# Altium PCB Proyecto0.PcbDoc (part 4 of 5)
Units mm, origin at the board's own origin, x right, y up, seen from the top; angles counter-clockwise.
Board outline 65 x 45 mm, 10 copper layers (TOP, GND[1], VDD[1], Signal[1], GND[2], VDD[2], Signal[2], GND[3], VDD[3], BOT), stack 2.029 mm thick; 188 components, 257 nets, 1107 pads, 1099 vias.
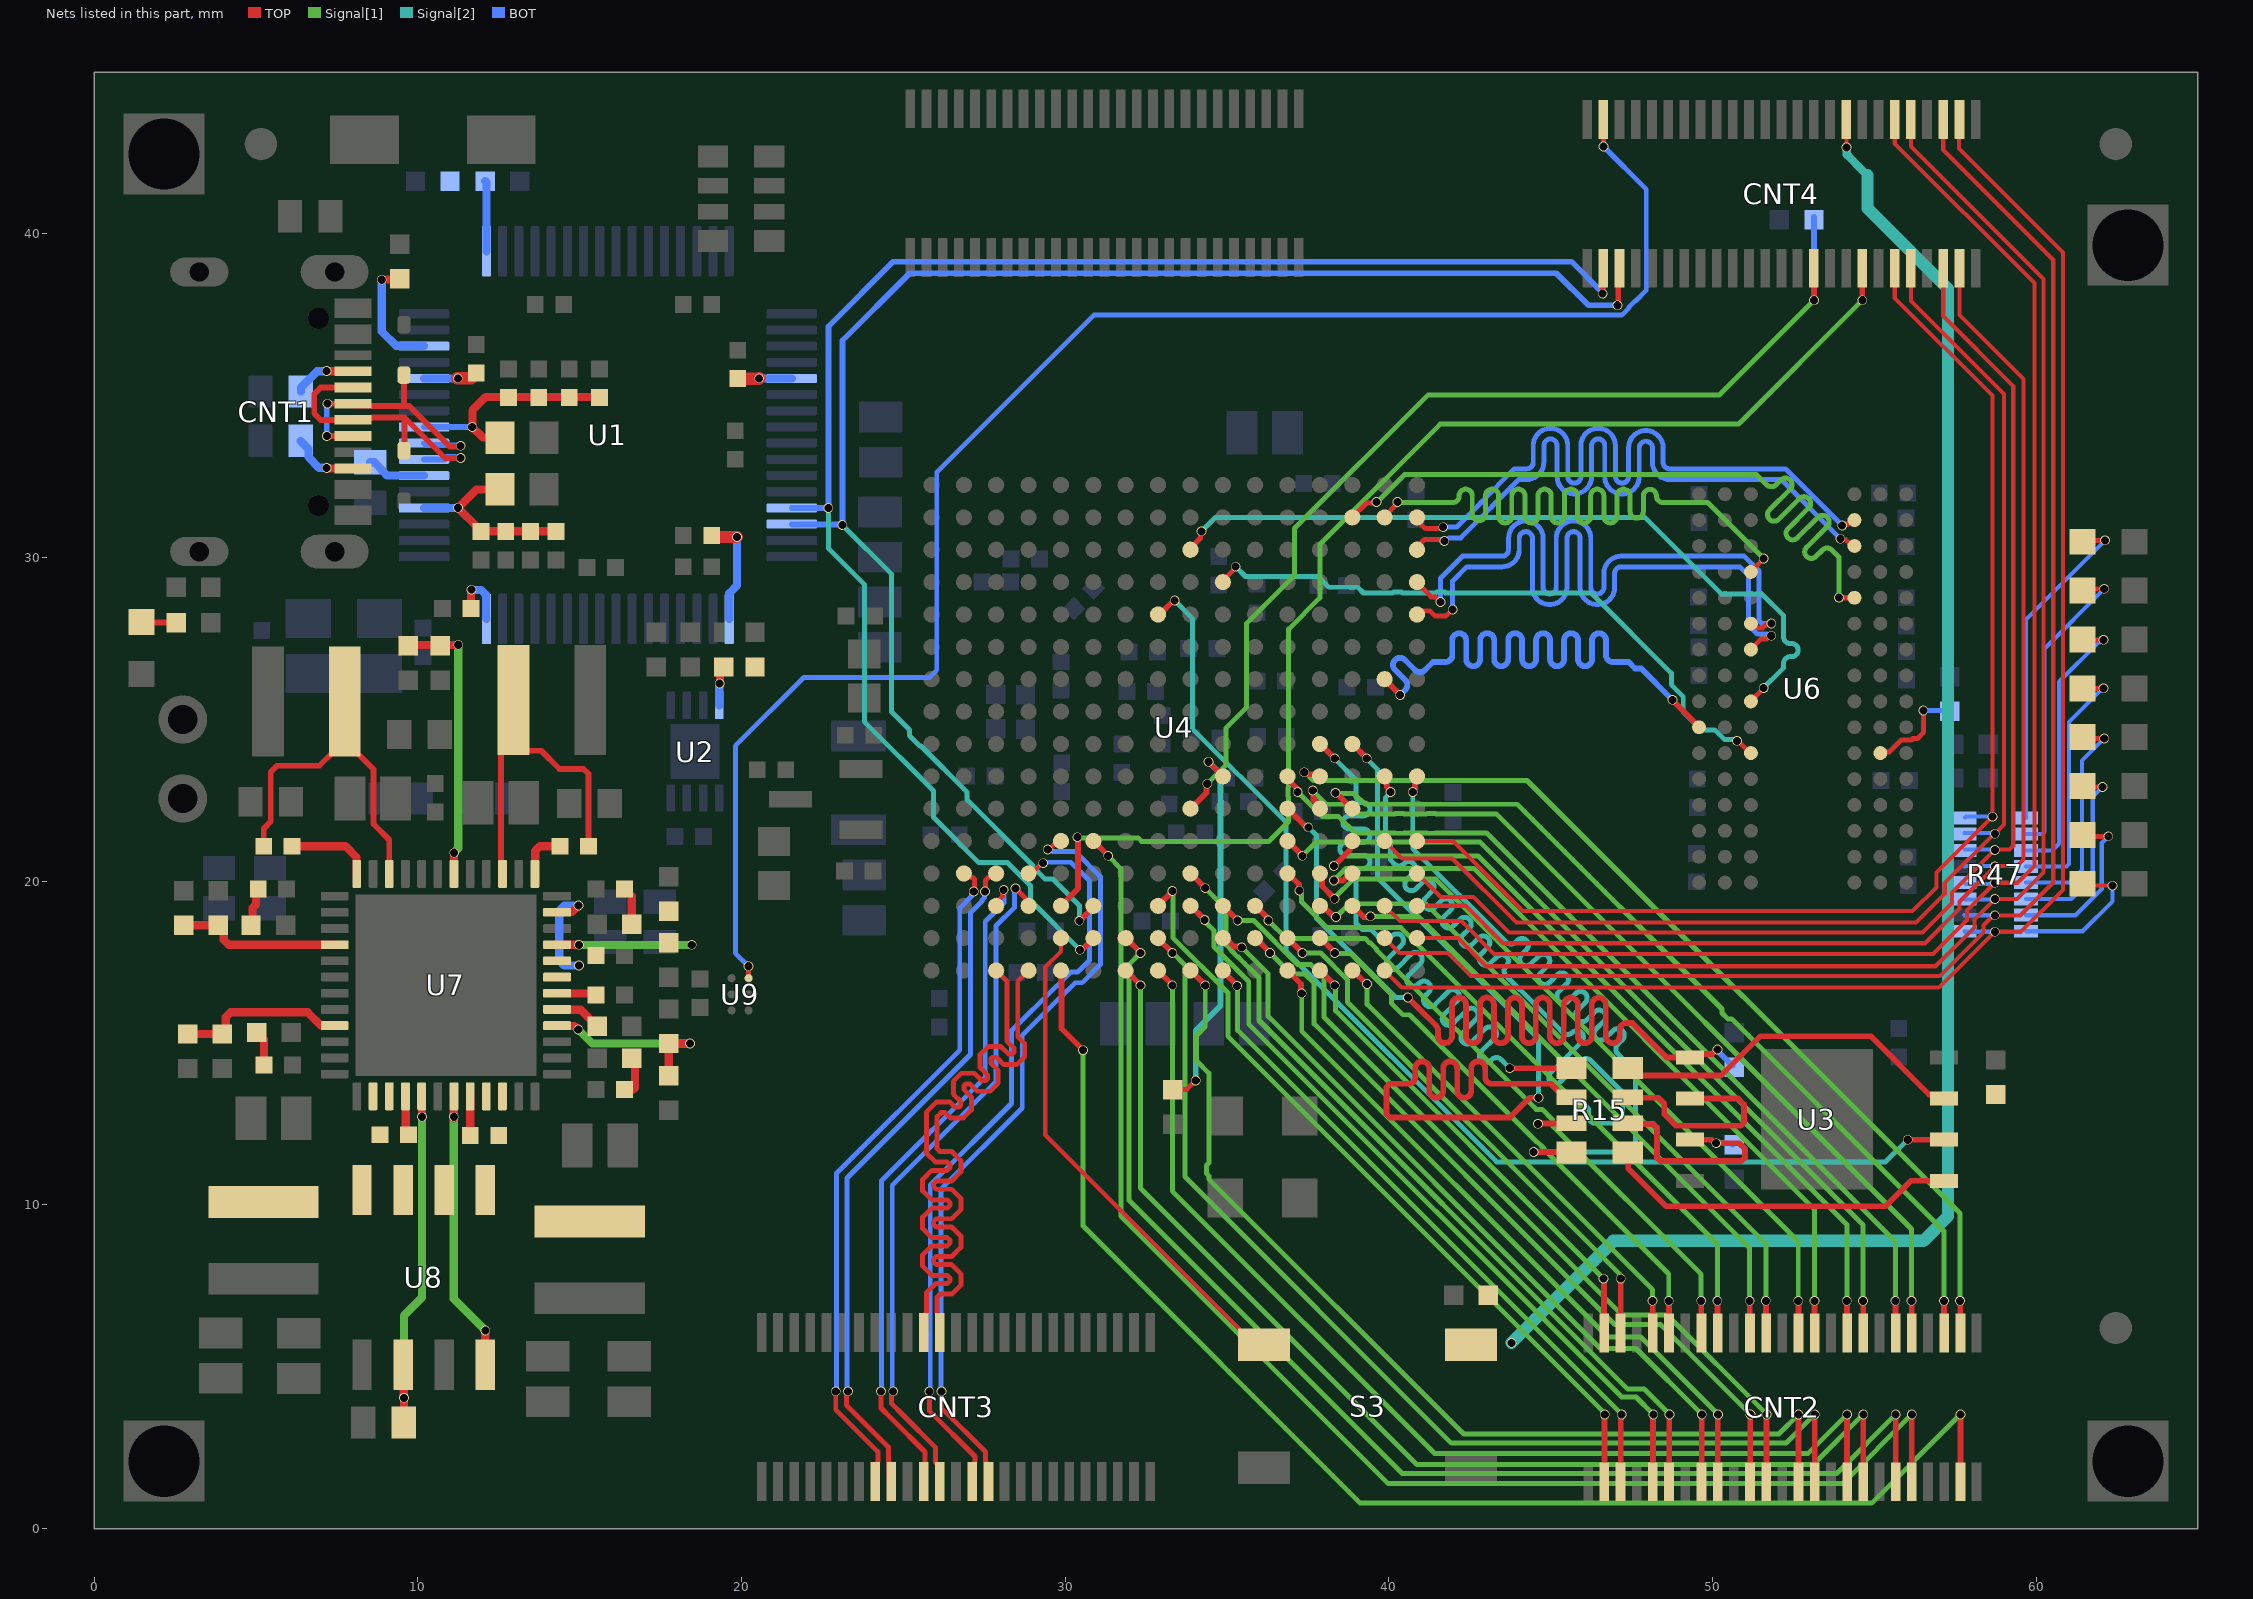
[diagram p12: the nets of this part, all layers, seen from the top]

## Via types
v1: diameter 0.3, hole 0.25, TOP to BOT, tented both sides, 1081 vias
v2: diameter 0.3, hole 0.25, TOP to BOT, 18 vias

## Nets (pads, with @x,y where several pads share a name; then routed paths per layer and width w, separated by ;. In a path a pad name is that pad's centre, name@x,y a point inside that pad or via, vN(x,y) a via of type N, cw(c..) or ccw(c..) an arc to the next point about the centre after c; other vN are vias at no path point) (continued)
L6_N: CNT3.43 U4.N2 | length 21.4
  TOP w0.152: v1(22.916,4.242) 22.916,3.676 24.216,2.376 24.216,2.072 24.205,2.061 24.205,1.533 CNT3.43@24.131,1.459 ; U4.N2@26.873,20.241 26.967,20.241 27.093,20.115 27.157,20.115 27.208,20.064 27.208,19.899 27.199,19.89 27.199,19.706 v1(27.178,19.685)
  BOT w0.152: v1(22.916,4.242) 22.934,4.26 22.934,10.97 26.746,14.783 26.746,19.167 27.106,19.526 27.106,19.573 27.178,19.645 v1(27.178,19.685)
L6_P: CNT3.42 U4.N3 | length 21.4
  TOP w0.152: v1(23.292,4.242) 23.264,4.214 23.264,4.109 23.246,4.091 23.246,3.813 24.546,2.513 24.546,2.072 24.558,2.061 24.558,1.533 CNT3.42@24.631,1.459 ; v1(27.529,19.685) 27.538,19.694 27.538,20.025 27.627,20.115 27.652,20.115 27.779,20.241 U4.N3@27.873,20.241
  BOT w0.152: v1(23.292,4.242) 23.264,4.27 23.264,10.834 27.076,14.646 27.076,19.03 27.436,19.39 27.436,19.418 27.508,19.49 27.508,19.664 v1(27.529,19.685)
L7_N: CNT3.11 U4.T3 | length 19.9
  TOP w0.152: CNT3.11@25.631,6.059 25.705,6.133 25.705,6.661 25.716,6.672 25.716,6.833 25.716,7.289 25.999,7.572 26.36,7.572 26.448,7.661 26.448,7.736 26.36,7.825 25.883,7.825 25.601,8.106 25.601,8.456 25.883,8.737 26.36,8.737 26.448,8.826 26.448,8.901 26.36,8.99 25.883,8.99 25.601,9.272 25.601,9.621 25.883,9.903 26.36,9.903 26.448,9.991 26.448,10.067 26.36,10.155 25.883,10.155 25.601,10.437 25.601,10.786 25.883,11.068 26.36,11.068 26.448,11.156 26.448,11.232 26.36,11.32 25.999,11.32 25.716,11.603 25.716,11.913 25.716,12.328 25.716,12.864 26.034,13.182 26.434,13.182 26.598,13.018 26.723,13.018 26.776,13.072 26.776,13.197 26.551,13.423 26.551,13.821 26.797,14.068 27.196,14.068 27.422,13.842 27.547,13.842 27.6,13.896 27.6,14.021 27.374,14.247 27.374,14.645 27.621,14.892 28.02,14.892 28.246,14.666 28.371,14.666 28.424,14.72 28.424,14.845 28.208,15.061 28.208,15.586 28.208,16.906 U4.T3@27.873,17.241
L7_P: CNT3.12 U4.T4 | length 19.9
  TOP w0.152: CNT3.12@26.131,6.059 26.058,6.133 26.058,6.661 26.046,6.672 26.046,6.833 26.046,7.153 26.136,7.242 26.497,7.242 26.779,7.524 26.779,7.873 26.497,8.155 26.02,8.155 25.931,8.243 25.931,8.319 26.02,8.407 26.497,8.407 26.779,8.689 26.779,9.038 26.497,9.32 26.02,9.32 25.931,9.408 25.931,9.484 26.02,9.572 26.497,9.572 26.779,9.854 26.779,10.203 26.497,10.485 26.02,10.485 25.931,10.574 25.931,10.649 26.02,10.738 26.497,10.738 26.779,11.019 26.779,11.369 26.497,11.65 26.136,11.65 26.046,11.74 26.046,11.913 26.046,11.998 26.046,12.727 26.171,12.852 26.297,12.852 26.461,12.688 26.86,12.688 27.107,12.935 27.107,13.334 26.881,13.559 26.881,13.684 26.934,13.738 27.059,13.738 27.285,13.512 27.683,13.512 27.93,13.759 27.93,14.158 27.705,14.383 27.705,14.508 27.758,14.562 27.883,14.562 28.109,14.336 28.507,14.336 28.754,14.583 28.754,14.981 28.538,15.198 28.538,15.569 28.538,16.906 U4.T4@28.873,17.241
L8_N: CNT3.40 U4.P3 | length 21
  TOP w0.152: v1@24.312,4.216 24.312,3.724 24.663,3.374 25.671,2.366 25.671,1.499 CNT3.40@25.631,1.459 ; U4.P3@27.873,19.241 27.873,19.335 28.062,19.524 28.062,19.708 28.088,19.734 v1(28.103,19.734)
  BOT w0.152: v1@24.33,4.235 24.33,10.741 27.534,13.945 27.534,18.755 28.109,19.331 28.109,19.727 v1(28.103,19.734)
  other v1: 24.312,4.242
L8_P: CNT3.39 U4.P4 | length 21.3
  TOP w0.152: v1@24.689,4.216 24.661,4.188 24.661,4.109 24.642,4.091 24.642,3.861 24.993,3.51 26.001,2.502 26.001,2.04 26.131,1.909 CNT3.39@26.131,1.459 ; v1(28.468,19.781) 28.473,19.781 28.473,19.776 28.806,19.443 28.806,19.308 U4.P4@28.873,19.241
  BOT w0.152: v1@24.689,4.216 24.661,4.245 24.661,4.398 24.661,10.605 27.864,13.808 27.864,18.618 28.44,19.194 28.44,19.753 v1(28.468,19.781)
  other v1: 24.689,4.242
L9_N: CNT3.37 U4.N4 | length 23.7
  TOP w0.152: v1@25.806,4.115 25.806,3.64 27.216,2.23 27.216,2.072 27.205,2.061 27.205,1.533 CNT3.37@27.131,1.459 ; U4.N4@28.873,20.241 28.965,20.241 29.282,20.558 v1(29.322,20.558)
  BOT w0.152: v1@25.806,4.115 25.806,4.269 25.779,4.297 25.821,4.297 25.834,4.31 25.834,7.422 25.834,10.62 28.346,13.132 28.346,15.377 29.711,16.741 29.723,16.741 30.175,17.194 30.389,17.194 30.759,17.564 30.759,20.005 30.178,20.587 29.35,20.587 v1(29.322,20.558)
  other v1: 25.806,4.242
L9_P: CNT3.36 U4.M5 | length 24
  TOP w0.152: v1@26.183,4.115 26.177,4.109 26.177,3.736 27.546,2.367 27.546,2.072 27.558,2.061 27.558,1.533 CNT3.36@27.631,1.459 ; v1(29.464,20.98) 29.504,20.98 29.698,21.175 29.806,21.175 U4.M5@29.873,21.241
  BOT w0.152: v1@26.183,4.115 26.164,4.133 26.164,4.242 26.164,7.286 26.164,10.483 28.677,12.995 28.677,15.24 29.848,16.411 29.86,16.411 30.312,16.864 30.525,16.864 31.09,17.428 31.09,20.142 30.315,20.917 29.627,20.917 29.592,20.952 29.492,20.952 v1(29.464,20.98)
  other v1: 26.183,4.242
L13: CNT2.17 U4.M14 | length 25
  TOP w0.178: v1(38.304,20.473) 38.521,20.691 38.811,20.98 38.811,21.179 U4.M14@38.873,21.241 ; v1(54.15,7.036) 54.155,7.031 54.155,6.053 CNT2.17@54.157,6.051
  Signal[1] w0.152: v1(38.304,20.473) 38.608,20.777 42.774,20.777 54.154,9.397 v1@54.154,7.04 ; v1@54.15,7.034 v1@54.154,7.038
LDM: U4.B14 U6.E7 | length 25
  TOP w0.152: U4.B14@38.873,31.241 39.316,31.684 39.596,31.684 v1(39.624,31.713)
  TOP w0.178: v1(53.909,28.761) 53.914,28.757 U6.E7@54.386,28.757
  Signal[1] w0.152: v1(39.624,31.713) 39.637,31.713 40.488,32.563 51.359,32.563 51.621,32.3 51.675,32.247 ccw(c51.819,32.39) 51.962,32.247 52.111,32.395 cw(c52.254,32.251) 52.398,32.395 cw(c52.254,32.251) 52.398,32.108 51.76,31.469 ccw(c51.903,31.325) 51.76,31.182 ccw(c51.903,31.325) 52.047,31.182 52.686,31.82 cw(c52.829,31.677) 52.973,31.82 cw(c52.829,31.677) 52.973,31.533 52.334,30.894 ccw(c52.478,30.751) 52.334,30.607 ccw(c52.478,30.751) 52.622,30.607 53.26,31.246 cw(c53.404,31.102) 53.548,31.245 cw(c53.404,31.102) 53.548,30.958 52.909,30.32 ccw(c53.053,30.176) 52.909,30.032 ccw(c53.053,30.176) 53.197,30.032 53.399,30.235 cw(c53.543,30.091) 53.687,30.235 53.909,30.012 53.909,29.81 v1(53.909,28.761)
LDQS_N: U4.E16 U6.G3 | length 22.2
  TOP w0.152: U4.E16@40.873,28.241 40.967,28.241 41.081,28.355 41.262,28.355 41.42,28.198 41.776,28.198 v1(41.973,28.395) ; U6.G3@51.186,27.157 51.186,27.164 51.512,27.49 51.678,27.49 51.698,27.511 51.702,27.511 51.776,27.584 v1(51.816,27.584)
  BOT w0.152: v1(41.973,28.395) 41.973,29.273 42.413,29.713 43.256,29.713 43.497,29.713 ccw(c43.497,30.247) 44.031,30.247 44.031,30.597 cw(c44.234,30.597) 44.437,30.597 44.437,29.078 ccw(c44.971,29.078) 45.504,29.078 45.504,30.597 cw(c45.707,30.597) 45.91,30.597 45.91,29.078 ccw(c46.444,29.078) 46.977,29.078 46.977,29.51 cw(c47.18,29.51) 47.18,29.713 48.46,29.713 50.846,29.713 51.107,29.452 51.107,27.915 51.39,27.633 51.663,27.633 51.683,27.613 51.788,27.613 v1(51.816,27.584)
LDQS_P: U4.D16 U6.F3 | length 22.2
  TOP w0.152: U4.D16@40.873,29.241 40.873,29.219 41.307,28.785 41.44,28.785 v1(41.598,28.627) ; U6.F3@51.186,27.957 51.262,27.957 51.399,27.82 51.541,27.82 51.654,27.933 51.792,27.933 v1(51.82,27.961)
  BOT w0.152: v1(41.598,28.627) 41.598,29.365 42.276,30.043 43.256,30.043 43.497,30.043 ccw(c43.497,30.247) 43.701,30.247 43.701,30.597 cw(c44.234,30.597) 44.767,30.597 44.767,29.078 ccw(c44.971,29.078) 45.174,29.078 45.174,30.597 cw(c45.707,30.597) 46.241,30.597 46.241,29.078 ccw(c46.444,29.078) 46.647,29.078 46.647,29.51 cw(c47.18,29.51) 47.18,30.043 48.46,30.043 50.983,30.043 51.437,29.589 51.437,28.052 51.526,27.963 51.818,27.963 v1(51.82,27.961)
LED0: CNT4.49 R47.1 U4.T15 | length 48.5
  TOP w0.127: U4.T15@39.873,17.241 40.401,16.713 56.998,16.713 v1(58.725,18.44) 59.538,18.44 60.833,19.736 60.833,39.421 57.618,42.636 57.618,43.524 CNT4.49@57.63,43.536
  BOT w0.127: R47.1@57.785,18.455 57.8,18.44 v1(58.725,18.44)
LED1: CNT4.48 U4.R15 | length 48.4
  TOP w0.127: U4.R15@39.878,18.237 40.335,17.78 41.834,17.78 42.545,17.069 57.023,17.069 58.369,18.415 58.369,18.64 58.678,18.948 v1@58.725,18.948 ; CNT4.48@57.13,43.536 57.13,42.59 60.528,39.192 60.528,19.964 59.509,18.945 v1(58.725,18.945)
  BOT w0.127: 57.785,18.955 57.792,18.948 v1@58.725,18.948
LED2: CNT4.46 R47.3 U4.R16 | length 46.6
  TOP w0.127: U4.R16@40.873,18.241 42.139,18.241 43.006,17.374 56.896,17.374 58.09,18.567 58.09,18.814 v1(58.725,19.449) 59.403,19.449 60.223,20.269 60.223,38.608 56.134,42.697 CNT4.46@56.134,43.18
  BOT w0.127: R47.3@57.785,19.455 57.809,19.431 v1@58.725,19.431
LED3: CNT4.45 R47.4 U4.P15 | length 47.8
  TOP w0.127: U4.P15@39.873,19.241 40.343,18.771 42.24,18.771 43.256,17.755 56.82,17.755 57.861,18.796 57.861,19.09 v1(58.725,19.953) 59.425,19.953 59.944,20.472 59.944,38.481 55.63,42.795 CNT4.45@55.63,43.536
  BOT w0.127: R47.4@57.785,19.955 57.826,19.914 v1@58.725,19.914
LED4: CNT4.2 U4.P16 | length 40.4
  TOP w0.127: U4.P16@40.873,19.241 42.379,19.241 43.536,18.085 56.566,18.085 57.633,19.152 57.633,19.366 v1(58.725,20.458) ; CNT4.2@57.63,38.936 57.63,37.493 59.614,35.509 59.614,20.676 59.411,20.472 v1@58.725,20.472
  BOT w0.127: 57.785,20.455 57.802,20.472 v1@58.725,20.472
LED5: CNT4.3 R47.6 U4.N16 | length 40.1
  TOP w0.127: U4.N16@40.873,20.241 41.607,19.507 42.621,19.507 43.713,18.415 56.49,18.415 57.4,19.325 57.4,19.656 58.725,20.98 59.182,20.98 59.291,21.089 59.291,35.299 57.13,37.459 CNT4.3@57.13,38.936
  BOT w0.127: R47.6@57.8,20.98 v1@58.725,20.98
  other v1: 58.725,20.962
LED6: CNT4.5 R47.7 U4.M15 | length 40.9
  TOP w0.127: U4.M15@39.873,21.241 40.413,20.701 41.961,20.701 43.942,18.72 56.286,18.72 57.175,19.609 57.175,19.939 v1@58.725,21.488 ; CNT4.5@56.13,38.936 56.13,37.926 59.008,35.048 59.008,21.75 v1(58.725,21.467)
  BOT w0.127: R47.7@57.792,21.488 v1@58.725,21.488
LED7: CNT4.6 R47.8 U4.M16 | length 39.2
  TOP w0.127: U4.M16@40.873,21.241 41.979,21.241 44.145,19.075 56.185,19.075 56.921,19.812 56.921,20.269 v1(58.649,21.996) 58.649,35.001 55.63,38.02 CNT4.6@55.63,38.936
  BOT w0.127: R47.8@57.809,21.971 57.834,21.996 v1(58.649,21.996)
M6: CNT2.23 U4.L14 | length 28.3
  TOP w0.178: v1(38.354,22.731) 38.369,22.731 38.853,22.246 U4.L14@38.857,22.246 ; v1(57.15,7.036) 57.155,7.031 57.155,6.053 CNT2.23@57.157,6.051
  Signal[1] w0.152: v1(38.354,22.731) 38.377,22.708 38.938,22.708 39.268,22.377 43.967,22.377 50.294,16.051 50.294,15.927 50.471,15.75 50.595,15.75 57.154,9.191 v1@57.154,7.04 ; v1@57.15,7.034 v1@57.154,7.038
M15: CNT2.49 U4.P8 | length 24.4
  TOP w0.178: U4.P8@32.878,19.257 32.881,19.257 33.314,19.691 v1(33.314,19.699) ; CNT2.49@46.658,1.452 46.666,1.46 46.666,3.521 v1(46.673,3.528)
  Signal[1] w0.152: v1(33.314,19.699) 33.329,19.684 33.329,18.258 35.027,16.561 35.027,15.215 46.599,3.642 46.673,3.568 v1(46.673,3.528)
N6: CNT2.18 U4.M12 | length 26.4
  TOP w0.178: U4.M12@36.889,21.236 v1@37.33,20.795 ; v1(54.65,7.036) 54.655,7.031 54.655,6.053 CNT2.18@54.657,6.051
  Signal[1] w0.152: v1(37.33,20.785) 37.752,21.207 42.827,21.207 54.654,9.379 v1@54.654,7.04 ; v1@54.65,7.034 v1@54.654,7.038
N9: CNT2.37 U4.T9 | length 30.8
  TOP w0.178: U4.T9@33.889,17.236 v1@34.33,16.795 ; CNT2.37@52.658,1.452 52.66,1.454 v1@52.66,3.53
  Signal[1] w0.152: v1(34.33,16.785) 34.33,15.502 34.061,15.233 34.061,14.453 34.442,14.072 34.442,11.299 34.368,11.225 34.368,10.974 34.442,10.9 34.442,10.795 42.316,2.921 52.051,2.921 v1@52.661,3.531
  other v1: 52.661,3.528
N11: CNT2.8 U4.P11 | length 20.4
  TOP w0.178: U4.P11@35.889,19.236 36.255,18.869 36.255,18.81 v1(36.279,18.787) ; v1(49.65,7.036) 49.655,7.031 49.655,6.053 CNT2.8@49.657,6.051
  Signal[1] w0.152: v1(36.279,18.787) 36.828,18.237 39.268,18.237 39.418,18.088 39.44,18.088 39.617,17.91 39.617,17.889 44.552,12.954 44.742,12.954 45.06,12.636 45.06,12.446 49.65,7.856 v1(49.65,7.036)
N12: CNT2.9 U4.N12 | length 21
  TOP w0.178: U4.N12@36.889,20.236 37.224,19.901 37.224,19.722 v1(37.236,19.71) ; v1(50.15,7.036) 50.155,7.031 50.155,6.053 CNT2.9@50.157,6.051
  Signal[1] w0.152: v1(37.236,19.71) 37.236,19.67 37.31,19.597 37.31,19.357 38.1,18.567 40.375,18.567 50.15,8.793 v1(50.15,7.036)
N13: CNT2.46 U4.P9 | length 24
  TOP w0.178: U4.P9@33.889,19.236 34.313,18.812 v1(34.313,18.805) ; CNT2.46@48.158,1.452 48.166,1.46 48.166,3.521 v1(48.173,3.528)
  Signal[1] w0.152: v1(34.313,18.805) 34.313,18.765 34.386,18.691 34.386,18.689 34.595,18.48 34.595,17.983 35.674,16.904 35.674,15.583 47.193,4.064 47.637,4.064 v1(48.173,3.528)
NetC84_1: C84.1 U7.32 | length 1.2
  TOP w0.254: U7.32@11.621,13.354 11.623,13.352 11.623,12.143 C84.1@11.625,12.141
NetC84_2: C84.2 L5.1 U7.33 U7.34 U8.5 U8.6
NetC87_2: C87.2 R32.1 | length 1
  TOP w0.254: 16.671,13.564 16.717,13.61 16.717,14.482 R32.1@16.764,14.529
NetC88_1: C88.1 U7.28 | length 1.2
  TOP w0.254: U7.28@9.621,13.354 9.629,13.346 9.629,12.248 C88.1@9.711,12.167
NetC88_2: C88.2 L6.1 U7.26 U7.27 U8.7 U8.8
NetC91_2: C91.2 R35.1 | length 1.1
  TOP w0.254: R35.1@5.029,15.326 5.25,15.106 C91.2@5.25,14.326
NetC92_1: C92.1 U7.1 | length 1.5
  TOP w0.254: U7.1@13.621,20.224 13.629,20.232 13.629,20.933 13.778,21.082 C92.1@14.394,21.082
NetC92_2: C92.2 L7.1 U7.3 | length 10.6
  TOP w0.178: U7.3@12.621,20.224 12.613,20.232 12.613,20.598 12.573,20.638 12.573,24.003 L7.1@12.963,24.393 ; L7.1@12.963,25.603 L7.1@12.963,24.393 ; C92.2@15.274,21.082 15.274,23.321 15.125,23.47 14.38,23.47 13.819,24.03 13.326,24.03 L7.1@12.963,24.393
NetC93_2: C93.2 R39.1 | length 1.2
  TOP w0.254: C93.2@16.391,19.761 16.612,19.541 R39.1@16.612,18.669
NetC95_1: C95.1 U7.12 | length 2.7
  TOP w0.254: C95.1@6.122,21.082 7.772,21.082 8.113,20.741 8.113,20.232 U7.12@8.121,20.224
NetC95_2: C95.2 L8.1 U7.10 | length 10
  TOP w0.178: C95.2@5.242,21.082 5.242,21.625 5.461,21.844 5.461,23.372 5.661,23.571 6.969,23.571 7.452,24.054 L8.1@7.569,24.054 ; L8.1@7.976,24.105 7.991,24.105 8.636,23.46 8.636,21.768 9.121,21.283 U7.10@9.121,20.224
  TOP w0.254: L8.1@7.747,24.349 L8.1@7.747,25.248
NetC96_2: C96.2 R42.1 | length 1.2
  TOP w0.254: R42.1@4.851,18.644 4.897,18.69 4.897,19.176 5.002,19.28 5.002,19.691 C96.2@5.072,19.761
NetC99_2: C99.2 U7.42 | length 1.2
  TOP w0.254: U7.42@14.306,16.539 14.314,16.531 15.464,16.531 C99.2@15.511,16.485
NetCNT1_A5: CNT1.A5 R4.2 | length 2
  TOP w0.254: v1(7.188,35.763) 7.199,35.753 CNT1.A5@8.004,35.753
  BOT w0.254: R4.2@6.391,35.128 6.391,35.253 6.892,35.754 7.179,35.754 v1(7.188,35.763)
NetCNT1_B5: CNT1.B5 R1.1 | length 2.1
  TOP w0.254: v1@7.199,32.753 CNT1.B5@8.004,32.753
  BOT w0.254: R1.1@6.375,33.604 6.623,33.356 6.623,33.102 6.954,32.772 7.179,32.772 v1(7.188,32.763)
NetD3_A: D3.A R17.2 | length 1.1
  TOP w0.178: D3.A@1.499,28.042 1.549,27.991 R17.2@2.54,27.991
NetD4_A: D4.A R47.16 | length 4.4
  TOP w0.127: D4.A@61.493,19.914 61.544,19.863 v1(62.357,19.863)
  BOT w0.127: R47.16@59.685,18.455 61.432,18.455 62.357,19.38 v1(62.357,19.863)
NetD5_A: D5.A R47.15 | length 5.2
  TOP w0.152: D5.A@61.434,21.431 61.478,21.387 v1(62.23,21.387)
  BOT w0.127: R47.15@59.685,18.955 59.692,18.948 61.214,18.948 62.027,19.761 62.027,21.184 v1(62.23,21.387)
NetD6_A: D6.A R47.14 | length 5.9
  TOP w0.152: D6.A@61.434,22.941 61.464,22.911 v1(62.052,22.911)
  BOT w0.127: R47.14@59.685,19.455 61.086,19.455 61.747,20.117 61.747,22.606 v1(62.052,22.911)
NetD7_A: D7.A R47.13 | length 6.9
  TOP w0.152: D7.A@61.418,24.435 D7.A@61.434,24.45 61.475,24.409 v1(62.103,24.409)
  BOT w0.127: R47.13@59.685,19.955 61.027,19.955 61.417,20.345 61.417,23.724 v1(62.103,24.409)
NetD8_A: D8.A R47.12 | length 7.9
  TOP w0.152: D8.A@61.407,25.933 D8.A@61.434,25.96 ; D8.A@61.449,25.959 v1(62.078,25.959)
  BOT w0.127: R47.12@59.685,20.455 60.936,20.455 61.011,20.529 61.011,24.917 62.052,25.959 v1@62.052,25.984
NetD9_A: D9.A R47.11 | length 8.7
  TOP w0.152: D9.A@61.395,27.508 D9.A@61.434,27.469 ; D9.A@61.449,27.457 v1(62.078,27.457)
  BOT w0.127: R47.11@59.685,20.955 60.503,20.955 60.706,21.158 60.706,26.162 61.926,27.382 61.955,27.382 62.027,27.453 v1@62.027,27.483
NetD10_A: D10.A R47.10 | length 9.6
  TOP w0.152: D10.A@61.431,28.981 61.482,29.032 v1(62.103,29.032)
  BOT w0.127: R47.10@59.685,21.455 60.179,21.455 60.253,21.529 60.253,27.182 v1(62.103,29.032)
NetD11_A: D11.A R47.9 | length 10.3
  TOP w0.152: D11.A@61.434,30.488 61.476,30.531 v1(62.128,30.531)
  BOT w0.127: R47.9@59.685,21.955 59.685,28.087 v1(62.128,30.531)
NetR2_1: R2.1 R3.2 U1.17 | length 2.2
  BOT w0.254: R3.2@12.09,41.631 12.125,41.596 U1.17@12.125,39.462
NetR6_2: R6.2 U1.14 | length 3.7
  TOP w0.254: v1(8.89,38.583) 8.899,38.591 9.432,38.591 R6.2@9.449,38.608
  BOT w0.254: v1(8.89,38.583) 8.89,36.982 9.327,36.545 10.182,36.545 U1.14@10.195,36.532
NetR7_1: R7.1 R11.1 U2.4 | length 1.2
  TOP w0.254: v1(19.329,26.111) 19.338,26.12 19.338,26.501 R11.1@19.456,26.619
  BOT w0.254: U2.4@19.317,25.438 19.317,26.099 v1(19.329,26.111)
NetR10_2: R10.2 U1.6 | length 1.8
  BOT w0.254: R10.2@8.534,32.944 8.659,32.944 8.907,32.696 8.907,32.681 9.056,32.532 U1.6@10.195,32.532
NetR18_1: R18.1 U4.K10 | length 11.8
  TOP w0.152: R18.1@33.325,13.564 33.332,13.571 33.764,13.571 v1(34.036,13.843)
  TOP w0.178: v1@34.431,23.683 U4.K10@34.873,23.241
  Signal[2] w0.178: v1(34.036,13.843) 34.036,15.392 34.798,16.154 34.798,23.326 v1(34.431,23.692)
NetR24_1: R24.1 U6.L8 | length 3
  TOP w0.152: U6.L8@55.186,23.957 55.227,23.998 55.468,23.998 55.835,24.364 56.149,24.364 56.194,24.409 56.337,24.409 56.515,24.587 v1(56.515,25.273)
  BOT w0.152: v1(56.515,25.273) 57.175,25.273 R24.1@57.201,25.248
NetR31_1: R31.1 R33.1 U7.40 | length 6
  TOP w0.254: U7.40@14.306,15.539 14.314,15.531 14.847,15.531 v1(14.961,15.418) ; R31.1@17.755,13.995 R33.1@17.755,14.986 v1(18.415,14.986)
  Signal[1] w0.254: v1(14.961,15.418) 15.392,14.986 v1(18.415,14.986)
NetR34_1: R34.1 R37.1 U7.21 | length 5.2
  TOP w0.254: R34.1@2.896,15.281 R37.1@3.962,15.281 4.072,15.391 4.072,15.802 4.221,15.951 6.604,15.951 7.008,15.547 7.428,15.547 U7.21@7.436,15.539
NetR36_1: R36.1 U7.29 U8.2 | length 11.4
  TOP w0.254: U8.2@9.55,5.065 9.567,5.048 9.567,4.047 v1(9.576,4.039) 9.573,4.036 9.573,3.284 R36.1@9.566,3.277 ; U7.29@10.121,13.354 10.129,13.346 10.129,12.731 v1(10.135,12.725)
  Signal[1] w0.254: v1@9.576,4.013 9.576,6.579 10.135,7.137 v1(10.135,12.725)
NetR38_1: R38.1 R40.1 U7.45 | length 4.2